# Altium PCB m-BLANC.PcbDoc (part 12 of 15)
Units mm, origin at the board's own origin, x right, y up, seen from the top; angles counter-clockwise.
Board outline 100 x 100 mm, 6 copper layers (Top Layer, InLayer1 (GND), InLayer2 (Signal), InLayer3 (PWR), InLayer4 (GND), Bottom Layer), stack 1.634 mm thick; 322 components, 563 nets, 2865 pads, 1870 vias.
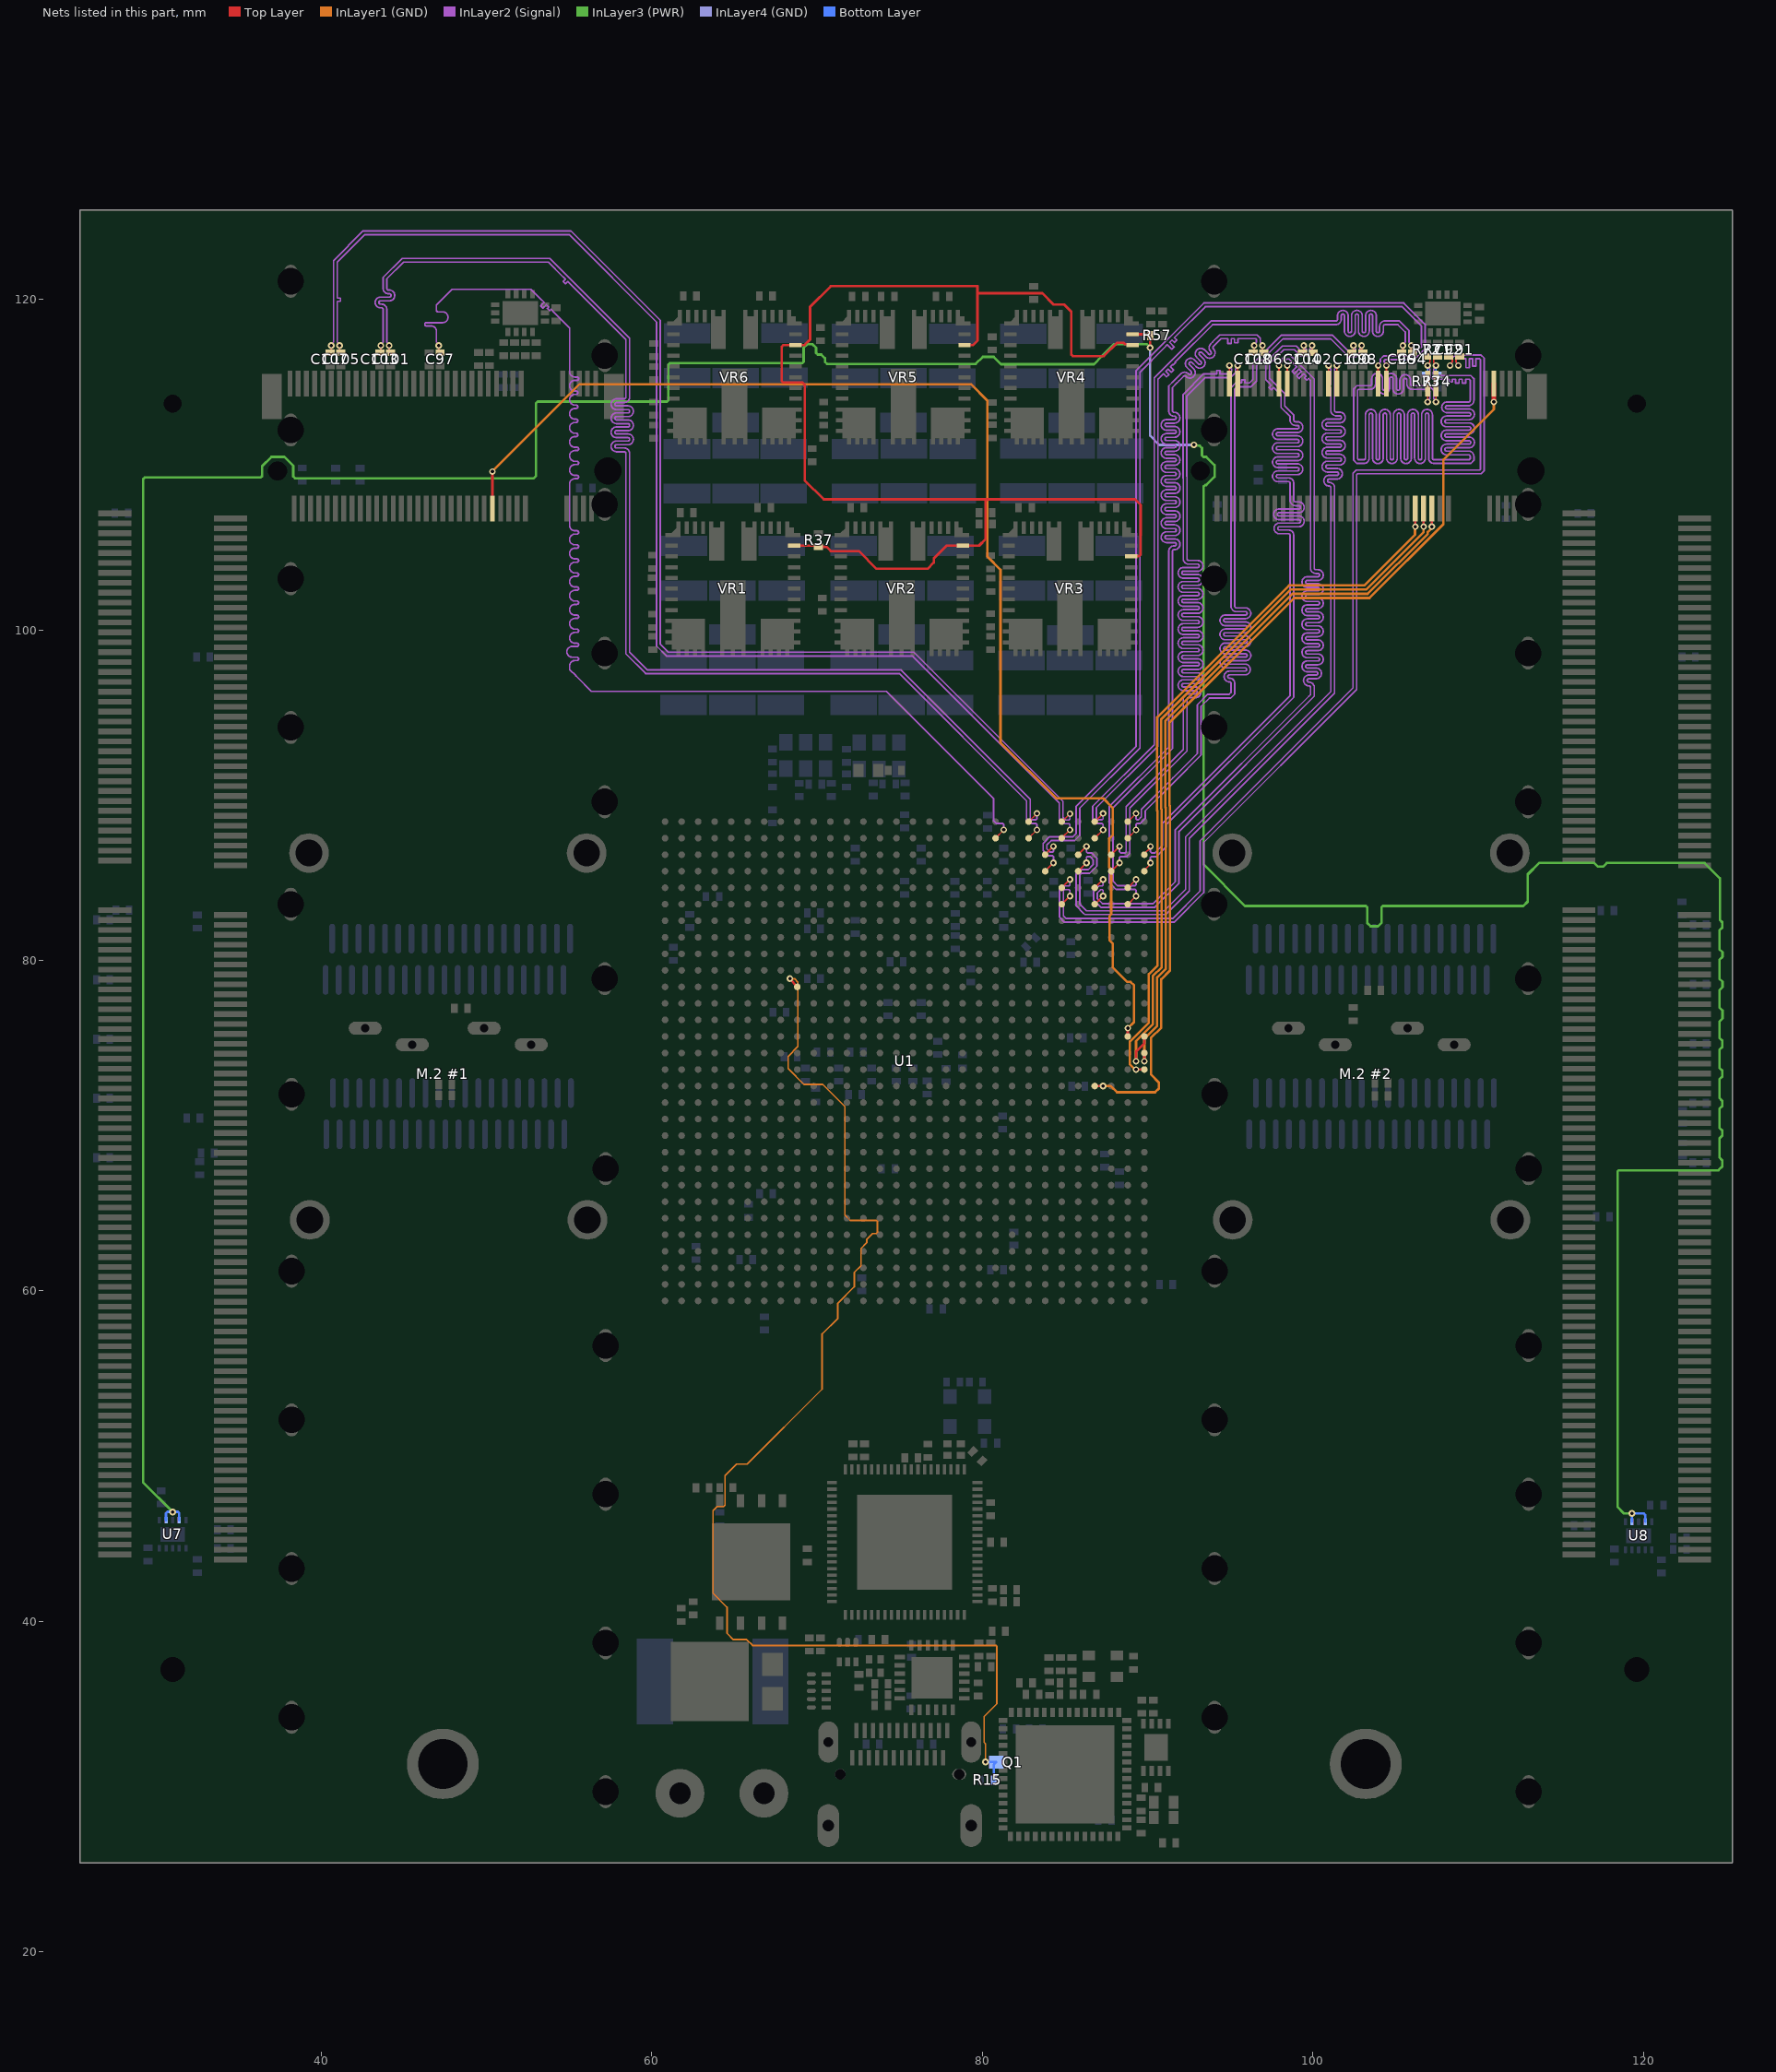
[diagram p16: the nets of this part, all layers, seen from the top]

## Via types
v1: diameter 0.4, hole 0.2, Top Layer to Bottom Layer, tented both sides, 1808 vias
v2: diameter 0.8, hole 0.4, Top Layer to Bottom Layer, tented both sides, 54 vias
v3: diameter 5, hole 3.2, Top Layer to Bottom Layer, 4 vias
v4: diameter 3.5, hole 3.2, Top Layer to Bottom Layer, 4 vias

## Nets (pads, with @x,y where several pads share a name; then routed paths per layer and width w, separated by ;. In a path a pad name is that pad's centre, name@x,y a point inside that pad or via, vN(x,y) a via of type N, cw(c..) or ccw(c..) an arc to the next point about the centre after c; other vN are vias at no path point) (continued)
PCIe1_TX1_P: C97.1 U1.K2 | length 81.1
  Top Layer w0.1: v1(47.1,117.21) 47.1,116.863 C97.1@47.181,116.782 ; U1.K2@80.8,87.4 80.8,87.407 81.293,87.9 v1(81.293,87.907)
  InLayer2 (Signal) w0.1: v1(47.1,117.21) 47.1,117.281 46.962,117.419 46.962,117.539 46.962,118.072 ccw(c46.637,118.072) 46.637,118.397 46.357,118.397 cw(c46.357,118.497) 46.257,118.497 cw(c46.357,118.497) 46.357,118.597 47.341,118.597 ccw(c47.341,118.922) 47.666,118.922 ccw(c47.341,118.922) 47.341,119.247 47.062,119.247 cw(c47.062,119.347) 46.962,119.347 46.962,119.51 46.962,119.662 47.917,120.617 52.679,120.617 53.298,119.998 53.333,119.963 53.475,119.821 53.269,119.616 53.411,119.474 53.616,119.68 53.758,119.538 53.678,119.459 53.819,119.317 53.899,119.397 54.098,119.198 55.02,118.276 55.02,115.793 55.02,115.63 ccw(c55.345,115.63) 55.345,115.305 55.466,115.305 cw(c55.466,115.205) 55.566,115.205 cw(c55.466,115.205) 55.466,115.105 55.345,115.105 ccw(c55.345,114.78) 55.02,114.78 ccw(c55.345,114.78) 55.345,114.455 55.418,114.455 cw(c55.418,114.355) 55.518,114.355 cw(c55.418,114.355) 55.418,114.255 55.345,114.255 ccw(c55.345,113.93) 55.02,113.93 ccw(c55.345,113.93) 55.345,113.605 55.418,113.605 cw(c55.418,113.505) 55.518,113.505 cw(c55.418,113.505) 55.418,113.405 55.345,113.405 ccw(c55.345,113.08) 55.02,113.08 ccw(c55.345,113.08) 55.345,112.755 55.418,112.755 cw(c55.418,112.655) 55.518,112.655 cw(c55.418,112.655) 55.418,112.555 55.345,112.555 ccw(c55.345,112.23) 55.02,112.23 ccw(c55.345,112.23) 55.345,111.905 55.418,111.905 cw(c55.418,111.805) 55.518,111.805 cw(c55.418,111.805) 55.418,111.705 55.345,111.705 ccw(c55.345,111.38) 55.02,111.38 ccw(c55.345,111.38) 55.345,111.055 55.466,111.055 cw(c55.466,110.955) 55.566,110.955 cw(c55.466,110.955) 55.466,110.855 55.345,110.855 ccw(c55.345,110.53) 55.02,110.53 ccw(c55.345,110.53) 55.345,110.205 55.466,110.205 cw(c55.466,110.105) 55.566,110.105 cw(c55.466,110.105) 55.466,110.005 55.345,110.005 ccw(c55.345,109.68) 55.02,109.68 ccw(c55.345,109.68) 55.345,109.355 55.466,109.355 cw(c55.466,109.255) 55.566,109.255 cw(c55.466,109.255) 55.466,109.155 55.345,109.155 ccw(c55.345,108.83) 55.02,108.83 55.02,107.851 55.02,106.488 55.02,106.325 ccw(c55.345,106.325) 55.345,106 55.466,106 cw(c55.466,105.9) 55.566,105.9 cw(c55.466,105.9) 55.466,105.8 55.345,105.8 ccw(c55.345,105.475) 55.02,105.475 ccw(c55.345,105.475) 55.345,105.15 55.466,105.15 cw(c55.466,105.05) 55.566,105.05 cw(c55.466,105.05) 55.466,104.95 55.345,104.95 ccw(c55.345,104.625) 55.02,104.625 ccw(c55.345,104.625) 55.345,104.3 55.466,104.3 cw(c55.466,104.2) 55.566,104.2 cw(c55.466,104.2) 55.466,104.1 55.345,104.1 ccw(c55.345,103.775) 55.02,103.775 ccw(c55.345,103.775) 55.345,103.45 55.466,103.45 cw(c55.466,103.35) 55.566,103.35 cw(c55.466,103.35) 55.466,103.25 55.345,103.25 ccw(c55.345,102.925) 55.02,102.925 ccw(c55.345,102.925) 55.345,102.6 55.466,102.6 cw(c55.466,102.5) 55.566,102.5 cw(c55.466,102.5) 55.466,102.4 55.345,102.4 ccw(c55.345,102.075) 55.02,102.075 ccw(c55.345,102.075) 55.345,101.75 55.466,101.75 cw(c55.466,101.65) 55.566,101.65 cw(c55.466,101.65) 55.466,101.55 55.345,101.55 ccw(c55.345,101.225) 55.02,101.225 ccw(c55.345,101.225) 55.345,100.9 55.466,100.9 cw(c55.466,100.8) 55.566,100.8 cw(c55.466,100.8) 55.466,100.7 55.345,100.7 ccw(c55.345,100.375) 55.02,100.375 ccw(c55.345,100.375) 55.345,100.05 55.466,100.05 cw(c55.466,99.95) 55.566,99.95 cw(c55.466,99.95) 55.466,99.85 55.345,99.85 ccw(c55.345,99.525) 55.02,99.525 ccw(c55.345,99.525) 55.345,99.2 55.466,99.2 cw(c55.466,99.1) 55.566,99.1 cw(c55.466,99.1) 55.466,99 55.179,99 ccw(c55.179,98.675) 54.854,98.675 ccw(c55.179,98.675) 55.179,98.35 55.466,98.35 cw(c55.466,98.25) 55.566,98.25 cw(c55.466,98.25) 55.466,98.15 55.345,98.15 ccw(c55.345,97.825) 55.02,97.825 55.02,97.605 55.404,97.221 55.454,97.171 56.345,96.281 74.197,96.281 80.675,89.803 80.675,88.478 80.865,88.288 81.234,88.288 81.293,88.229 v1(81.293,87.907)
PCIe1_TX2_N: C103.1 U1.H1 | length 80
  Top Layer w0.1: C103.1@43.533,116.785 43.6,116.852 v1(43.6,117.21) ; U1.H1@82.8,88.4 v1(83.3,88.9)
  InLayer2 (Signal) w0.1: v1(43.6,117.21) 43.6,117.281 43.737,117.419 43.737,118.823 43.737,119.393 ccw(c43.637,119.393) 43.637,119.493 43.578,119.493 cw(c43.578,119.818) 43.253,119.818 cw(c43.578,119.818) 43.578,120.143 44.115,120.143 ccw(c44.115,120.243) 44.215,120.243 ccw(c44.115,120.243) 44.115,120.343 44.063,120.343 cw(c44.063,120.668) 43.737,120.668 43.737,120.83 43.737,121.337 44.884,122.484 53.823,122.484 58.65,117.657 58.65,114.95 58.65,114.085 cw(c58.325,114.085) 58.325,113.76 57.86,113.76 ccw(c57.86,113.66) 57.76,113.66 ccw(c57.86,113.66) 57.86,113.56 58.555,113.56 cw(c58.555,113.235) 58.88,113.235 cw(c58.555,113.235) 58.555,112.91 57.86,112.91 ccw(c57.86,112.81) 57.76,112.81 ccw(c57.86,112.81) 57.86,112.71 58.555,112.71 cw(c58.555,112.385) 58.88,112.385 cw(c58.555,112.385) 58.555,112.06 57.86,112.06 ccw(c57.86,111.96) 57.76,111.96 ccw(c57.86,111.96) 57.86,111.86 58.555,111.86 cw(c58.555,111.535) 58.88,111.535 cw(c58.555,111.535) 58.555,111.21 57.86,111.21 ccw(c57.86,111.11) 57.76,111.11 ccw(c57.86,111.11) 57.86,111.01 58.325,111.01 cw(c58.325,110.685) 58.65,110.685 58.65,110.523 58.65,98.651 59.712,97.589 75.063,97.589 82.9,89.752 82.9,88.571 82.959,88.513 83.241,88.513 83.3,88.571 v1(83.3,88.9)
PCIe1_TX2_P: C101.1 U1.H2 | length 80.1
  Top Layer w0.1: v1(44.1,117.21) 44.1,116.868 C101.1@44.184,116.783 ; U1.H2@82.8,87.4 v1(83.3,87.9)
  InLayer2 (Signal) w0.1: v1(44.1,117.21) 44.1,117.281 43.963,117.419 43.963,118.823 43.963,119.393 ccw(c43.637,119.393) 43.637,119.718 43.578,119.718 cw(c43.578,119.818) 43.478,119.818 cw(c43.578,119.818) 43.578,119.918 44.115,119.918 ccw(c44.115,120.243) 44.44,120.243 ccw(c44.115,120.243) 44.115,120.568 44.063,120.568 cw(c44.063,120.668) 43.963,120.668 43.963,120.83 43.963,121.244 44.977,122.259 53.73,122.259 54.589,121.399 54.625,121.364 54.766,121.223 54.628,121.085 54.769,120.943 54.907,121.081 55.155,120.834 58.425,117.564 58.425,114.95 58.425,114.085 cw(c58.325,114.085) 58.325,113.985 57.86,113.985 ccw(c57.86,113.66) 57.535,113.66 ccw(c57.86,113.66) 57.86,113.335 58.555,113.335 cw(c58.555,113.235) 58.655,113.235 cw(c58.555,113.235) 58.555,113.135 57.86,113.135 ccw(c57.86,112.81) 57.535,112.81 ccw(c57.86,112.81) 57.86,112.485 58.555,112.485 cw(c58.555,112.385) 58.655,112.385 cw(c58.555,112.385) 58.555,112.285 57.86,112.285 ccw(c57.86,111.96) 57.535,111.96 ccw(c57.86,111.96) 57.86,111.635 58.555,111.635 cw(c58.555,111.535) 58.655,111.535 cw(c58.555,111.535) 58.555,111.435 57.86,111.435 ccw(c57.86,111.11) 57.535,111.11 ccw(c57.86,111.11) 57.86,110.785 58.325,110.785 cw(c58.325,110.685) 58.425,110.685 58.425,110.523 58.425,98.558 59.619,97.364 74.97,97.364 82.675,89.659 82.675,88.478 82.865,88.288 83.007,88.288 83.241,88.288 83.3,88.229 v1(83.3,87.9)
PCIe1_TX3_N: C107.1 U1.F1 | length 78.8
  Top Layer w0.1: C107.1@40.526,116.779 40.6,116.854 v1(40.6,117.21) ; U1.F1@84.8,88.4 84.812,88.4 85.288,88.877 v1(85.3,88.877)
  InLayer2 (Signal) w0.1: v1(40.6,117.21) 40.6,117.281 40.738,117.419 40.738,122.353 42.533,124.149 55.091,124.149 60.509,118.73 60.509,99.126 60.985,98.65 75.852,98.65 84.875,89.627 84.875,88.672 85.048,88.5 85.241,88.5 85.3,88.558 v1(85.3,88.877)
PCIe1_TX3_P: C105.1 U1.F2 | length 78.9
  Top Layer w0.1: v1(41.1,117.21) 41.1,116.858 C105.1@41.178,116.78 ; U1.F2@84.8,87.4 U1.F2@84.8,87.4 85.299,87.897 v1(85.3,87.897)
  InLayer2 (Signal) w0.1: v1(41.1,117.21) 41.1,117.281 40.963,117.419 40.963,119.633 40.963,119.883 41.162,119.883 41.162,120.083 40.963,120.083 40.963,120.528 40.963,122.26 42.627,123.924 54.997,123.924 60.284,118.637 60.284,99.033 60.892,98.425 75.759,98.425 84.65,89.534 84.65,88.579 84.955,88.275 85.241,88.275 85.3,88.216 v1(85.3,87.897)
PCIe1_WAKE: "M.2 #1.50" U1.B14 | length 79.2
  Top Layer w0.15: 50.35,107.35 v1(50.35,109.582) ; v1@88.798,75.916 88.798,75.9 88.798,75.461 88.8,75.463 U1.B14@88.8,75.4
  InLayer1 (GND) w0.15: v1@50.35,109.586 50.35,109.612 55.611,114.873 79.307,114.873 80.3,113.88 80.3,104.446 81.1,103.646 81.1,93.177 84.465,89.812 87.304,89.812 87.894,89.222 87.894,87.594 87.675,87.375 87.675,85.625 87.797,85.503 87.797,82.797 87.7,82.7 87.7,81.209 87.894,81.015 87.894,79.563 88.757,78.7 88.971,78.7 89.177,78.495 89.177,76.278 v1@88.798,75.9
  other v1: 88.8,75.9
PCIe2_CKRQ: "M.2 #2.52" U1.A14 | length 45.1
  Top Layer w0.15: v1(89.3,73.9) 89.3,74.487 89.8,74.987 U1.A14@89.8,75.4 ; v1(106.7,106.25) 106.7,107.35
  InLayer1 (GND) w0.15: v1(89.3,73.9) 89.3,75.12 90.324,76.144 90.324,79.071 90.85,79.596 90.85,89.134 90.822,89.162 90.822,94.608 98.655,102.442 103.212,102.442 106.7,105.93 v1(106.7,106.25)
PCIe2_CLK_N: "M.2 #2.55" R71.1 R74.2 | length 73.7
  Top Layer w0.1: v1(107.45,113.8) 107.45,114.9 ; v1(107.45,116) 107.45,116.062 107.312,116.2 107.312,116.35 107.324,116.361 107.324,116.4 107.474,116.55 R71.1@107.549,116.55
  InLayer2 (Signal) w0.1: 107.312,115.459 107.312,115.791 107.45,115.929 v1(107.45,116) ; 107.371,115.401 109.554,115.401 109.744,115.21 109.744,115.105 109.744,114.896 109.744,113.897 cw(c109.419,113.897) 109.419,113.572 108.125,113.572 ccw(c108.125,113.472) 108.125,113.372 109.452,113.372 cw(c109.452,113.047) 109.452,112.722 108.089,112.722 ccw(c108.089,112.622) 108.089,112.522 109.452,112.522 cw(c109.452,112.197) 109.452,111.872 108.089,111.872 ccw(c108.089,111.772) 108.089,111.672 109.452,111.672 cw(c109.452,111.347) 109.452,111.022 108.089,111.022 ccw(c108.089,110.922) 108.089,110.822 109.419,110.822 cw(c109.419,110.497) 109.744,110.497 109.744,110.334 109.744,110.265 109.554,110.075 107.8,110.075 107.333,110.075 cw(c107.333,110.4) 107.008,110.4 107.008,113.021 ccw(c106.908,113.021) 106.908,113.121 ccw(c106.908,113.021) 106.808,113.021 106.808,110.396 cw(c106.483,110.396) 106.483,110.071 cw(c106.483,110.396) 106.158,110.396 106.158,113.021 ccw(c106.058,113.021) 106.058,113.121 ccw(c106.058,113.021) 105.958,113.021 105.958,110.396 cw(c105.633,110.396) 105.633,110.071 cw(c105.633,110.396) 105.308,110.396 105.308,113.021 ccw(c105.208,113.021) 105.208,113.121 ccw(c105.208,113.021) 105.108,113.021 105.108,110.396 cw(c104.783,110.396) 104.783,110.071 cw(c104.783,110.396) 104.458,110.396 104.458,113.021 ccw(c104.358,113.021) 104.358,113.121 ccw(c104.358,113.021) 104.258,113.021 104.258,110.396 cw(c103.933,110.396) 103.933,110.071 cw(c103.933,110.396) 103.608,110.396 103.608,113.021 ccw(c103.508,113.021) 103.508,113.121 ccw(c103.508,113.021) 103.408,113.021 103.408,110.4 cw(c103.083,110.4) 103.083,110.075 102.92,110.075 102.665,110.075 102.475,110.265 102.475,114.595 102.665,114.785 103.3,114.785 103.463,114.785 ccw(c103.463,114.885) 103.563,114.885 103.563,115.202 cw(c103.888,115.202) 103.888,115.527 cw(c103.888,115.202) 104.213,115.202 104.213,114.604 ccw(c104.313,114.604) 104.313,114.504 ccw(c104.313,114.604) 104.413,114.604 104.413,115.202 cw(c104.738,115.202) 104.738,115.527 cw(c104.738,115.202) 105.063,115.202 105.063,114.604 ccw(c105.163,114.604) 105.163,114.504 ccw(c105.163,114.604) 105.263,114.604 105.263,115.122 cw(c105.588,115.122) 105.588,115.447 cw(c105.588,115.122) 105.913,115.122 105.913,114.885 ccw(c106.013,114.885) 106.013,114.785 106.506,114.785 107.033,114.785 107.312,114.506 107.312,114.009 107.45,113.871 v1(107.45,113.8)
  Bottom Layer w0.1: v1(107.45,116) 107.45,115.498 R74.2@107.511,115.436
PCIe2_CLK_P: "M.2 #2.53" R72.1 R73.2 | length 73.6
  Top Layer w0.1: R72.1@106.898,116.537 R72.1@106.887,116.548 106.956,116.548 107.087,116.416 107.087,116.198 106.95,116.06 v1(106.95,116) ; v1(106.95,113.8) 106.95,114.9
  InLayer2 (Signal) w0.1: v1(106.95,113.8) 106.95,113.871 107.087,114.009 107.087,114.412 106.94,114.56 106.506,114.56 106.013,114.56 cw(c106.013,114.885) 105.688,114.885 105.688,115.122 ccw(c105.588,115.122) 105.588,115.222 ccw(c105.588,115.122) 105.488,115.122 105.488,114.604 cw(c105.163,114.604) 105.163,114.279 cw(c105.163,114.604) 104.838,114.604 104.838,115.202 ccw(c104.738,115.202) 104.738,115.302 ccw(c104.738,115.202) 104.638,115.202 104.638,114.604 cw(c104.313,114.604) 104.313,114.279 cw(c104.313,114.604) 103.988,114.604 103.988,115.202 ccw(c103.888,115.202) 103.888,115.302 ccw(c103.888,115.202) 103.788,115.202 103.788,114.885 cw(c103.463,114.885) 103.463,114.56 103.3,114.56 102.759,114.56 102.7,114.502 102.7,110.359 102.759,110.3 102.92,110.3 103.083,110.3 ccw(c103.083,110.4) 103.183,110.4 103.183,113.021 cw(c103.508,113.021) 103.508,113.346 cw(c103.508,113.021) 103.833,113.021 103.833,110.396 ccw(c103.933,110.396) 103.933,110.296 ccw(c103.933,110.396) 104.033,110.396 104.033,113.021 cw(c104.358,113.021) 104.358,113.346 cw(c104.358,113.021) 104.683,113.021 104.683,110.396 ccw(c104.783,110.396) 104.783,110.296 ccw(c104.783,110.396) 104.883,110.396 104.883,113.021 cw(c105.208,113.021) 105.208,113.346 cw(c105.208,113.021) 105.533,113.021 105.533,110.396 ccw(c105.633,110.396) 105.633,110.296 ccw(c105.633,110.396) 105.733,110.396 105.733,113.021 cw(c106.058,113.021) 106.058,113.346 cw(c106.058,113.021) 106.383,113.021 106.383,110.396 ccw(c106.483,110.396) 106.483,110.296 ccw(c106.483,110.396) 106.583,110.396 106.583,113.021 cw(c106.908,113.021) 106.908,113.346 cw(c106.908,113.021) 107.233,113.021 107.233,110.4 ccw(c107.333,110.4) 107.333,110.3 107.8,110.3 109.461,110.3 109.495,110.334 109.519,110.359 109.519,110.497 ccw(c109.419,110.497) 109.419,110.597 108.089,110.597 cw(c108.089,110.922) 108.089,111.247 109.452,111.247 ccw(c109.452,111.347) 109.452,111.447 108.089,111.447 cw(c108.089,111.772) 108.089,112.097 109.452,112.097 ccw(c109.452,112.197) 109.452,112.297 108.089,112.297 cw(c108.089,112.622) 108.089,112.947 109.452,112.947 ccw(c109.452,113.047) 109.452,113.147 108.125,113.147 cw(c108.125,113.472) 108.125,113.797 109.419,113.797 ccw(c109.419,113.897) 109.519,113.897 109.519,114.896 109.519,115.105 109.519,115.117 109.461,115.176 109.291,115.176 109.241,115.176 109.241,114.929 109.041,114.929 109.041,115.176 108.841,115.176 108.841,114.929 108.641,114.929 108.641,115.176 108.441,115.176 108.441,115.007 108.241,115.007 108.241,115.176 107.692,115.176 107.278,115.176 107.087,115.366 107.087,115.791 106.95,115.929 v1(106.95,116)
  Bottom Layer w0.1: R73.2@106.859,115.435 106.95,115.526 v1(106.95,116)
PCIe2_DET: "M.2 #2.69" U1.D17 | length 58.3
  Top Layer w0.15: U1.D17@86.8,72.4 v1(87.3,72.4) v1@87.3,72.43
  Top Layer w0.3: v1(110.95,113.8) 110.95,114.9
  InLayer1 (GND) w0.15: v1(87.3,72.4) 87.77,72.4 88.145,72.025 90.449,72.025 90.679,72.255 90.679,72.621 90.2,73.1 90.2,75.313 90.824,75.937 90.824,78.864 91.35,79.389 91.35,89.341 91.322,89.369 91.322,94.401 98.859,101.938 103.426,101.938 107.9,106.412 107.9,110.3 110.95,113.35 v1(110.95,113.8)
PCIe2_PERST: "M.2 #2.50" U1.A16 | length 44.5
  Top Layer w0.15: v1(89.3,73.4) U1.A16@89.8,73.4 ; v1(106.2,106.25) 106.2,106.28 106.2,107.35
  InLayer1 (GND) w0.15: v1(89.3,73.4) 89.232,73.4 88.925,73.707 88.925,75.098 90.074,76.248 90.074,79.174 90.6,79.7 90.6,89.03 90.572,89.058 90.572,94.712 98.555,102.695 103.112,102.695 106.181,105.764 106.181,106.231 v1(106.2,106.25)
PCIe2_RCLK_N: C92.1 U1.F5 | length 60.2
  Top Layer w0.1: U1.F5@84.8,84.4 v1(85.3,84.9) ; C92.1@108.214,116.548 C92.1@108.221,116.555 108.285,116.555 108.435,116.405 108.435,116.205 108.3,116.07 v1(108.3,116)
  InLayer2 (Signal) w0.1: v1(85.3,84.9) 85.3,84.571 85.241,84.513 84.864,84.513 84.674,84.322 84.674,82.608 84.968,82.314 91.606,82.314 93.401,84.108 93.401,87.148 102.652,96.399 102.652,109.394 102.711,109.452 110.181,109.452 110.372,109.643 110.372,116.443 110.181,116.634 108.628,116.634 108.438,116.443 108.438,116.209 108.3,116.071 v1(108.3,116)
PCIe2_RCLK_P: C91.1 U1.F6 | length 60.3
  Top Layer w0.1: U1.F6@84.8,83.4 v1(85.3,83.9) ; v1(108.8,116) 108.8,116.068 108.66,116.209 108.66,116.396 108.81,116.546 C91.1@108.878,116.546 C91.1@108.868,116.536
  InLayer2 (Signal) w0.1: v1(85.3,83.9) 85.3,84.229 85.241,84.288 84.957,84.288 84.899,84.229 84.899,82.701 85.061,82.539 91.513,82.539 93.176,84.201 93.176,87.241 102.427,96.493 102.427,109.487 102.618,109.677 110.088,109.677 110.147,109.736 110.147,116.35 110.096,116.401 110.088,116.409 109.866,116.409 109.866,115.961 109.666,115.961 109.666,116.409 109.466,116.409 109.466,115.865 109.266,115.865 109.266,116.409 109.016,116.409 108.721,116.409 108.663,116.35 108.663,116.209 108.8,116.071 v1(108.8,116)
PCIe2_RX0_N: "M.2 #2.41" U1.G3 | length 59.5
  Top Layer w0.1: U1.G3@83.8,86.4 v1(84.3,86.9) ; 103.95,114.9 v1(103.95,116)
  InLayer2 (Signal) w0.1: v1(84.3,86.9) 84.3,86.597 84.258,86.555 84.1,86.555 83.9,86.755 83.9,86.99 84.169,87.26 85.587,87.26 85.894,87.566 85.894,89.223 89.531,92.86 89.531,115.6 91.016,117.084 91.192,117.261 91.468,116.986 91.609,117.127 91.334,117.403 91.475,117.544 91.625,117.394 91.766,117.536 91.617,117.686 91.766,117.834 93.491,119.56 105.408,119.56 106.563,118.405 106.563,117.11 106.032,116.578 104.278,116.578 104.088,116.388 104.088,116.209 103.95,116.071 v1(103.95,116)
PCIe2_RX0_P: "M.2 #2.43" U1.G4 | length 59.5
  Top Layer w0.1: U1.G4@83.8,85.4 v1(84.3,85.9) ; 104.45,114.9 v1(104.45,116)
  InLayer2 (Signal) w0.1: v1(84.3,85.9) 84.3,86.287 84.258,86.33 84.007,86.33 83.675,86.662 83.675,87.084 84.076,87.485 85.494,87.485 85.669,87.66 85.669,89.316 89.306,92.953 89.306,115.693 93.398,119.785 105.501,119.785 106.788,118.499 106.788,117.016 106.125,116.353 104.371,116.353 104.313,116.295 104.313,116.209 104.45,116.071 v1(104.45,116)
PCIe2_RX1_N: "M.2 #2.29" U1.E3 | length 58.4
  Top Layer w0.1: U1.E3@85.8,86.4 v1(86.3,86.9) ; 100.95,114.9 v1(100.95,116)
  InLayer2 (Signal) w0.1: v1(86.3,86.9) 86.3,86.571 86.359,86.513 86.606,86.513 86.925,86.193 86.925,85.707 86.493,85.275 86,85.275 85.9,85.175 85.9,83.4 86.3,83 91,83 92.3,84.3 92.3,87.482 101.087,96.27 101.087,108.047 101.087,108.606 ccw(c100.987,108.606) 100.987,108.706 cw(c100.987,109.031) 100.662,109.031 cw(c100.987,109.031) 100.987,109.356 101.454,109.356 ccw(c101.454,109.456) 101.554,109.456 ccw(c101.454,109.456) 101.454,109.556 100.88,109.556 cw(c100.88,109.881) 100.555,109.881 cw(c100.88,109.881) 100.88,110.206 101.625,110.206 ccw(c101.625,110.306) 101.725,110.306 ccw(c101.625,110.306) 101.625,110.406 100.88,110.406 cw(c100.88,110.731) 100.555,110.731 cw(c100.88,110.731) 100.88,111.056 101.625,111.056 ccw(c101.625,111.156) 101.725,111.156 ; v1(100.95,116) 100.95,115.929 101.087,115.791 101.087,115.021 101.087,114.85 100.894,114.85 100.894,114.65 101.087,114.65 101.087,114.6 101.087,113.444 101.087,113.281 ccw(c101.412,113.281) 101.412,112.956 101.625,112.956 cw(c101.625,112.856) 101.725,112.856 cw(c101.625,112.856) 101.625,112.756 100.88,112.756 ccw(c100.88,112.431) 100.555,112.431 ccw(c100.88,112.431) 100.88,112.106 101.625,112.106 cw(c101.625,112.006) 101.725,112.006 cw(c101.625,112.006) 101.625,111.906 100.88,111.906 ccw(c100.88,111.581) 100.555,111.581 ccw(c100.88,111.581) 100.88,111.256 101.625,111.256 cw(c101.625,111.156) 101.725,111.156
PCIe2_RX1_P: "M.2 #2.31" U1.E4 | length 58.4
  Top Layer w0.1: U1.E4@85.8,85.4 v1(86.3,85.9) ; 101.45,114.9 v1(101.45,116)
  InLayer2 (Signal) w0.1: v1(86.3,85.9) 86.3,86.229 86.359,86.288 86.512,86.288 86.6,86.2 86.7,86.1 86.7,85.8 86.4,85.5 85.907,85.5 85.675,85.268 85.675,83.307 86.141,82.841 86.207,82.775 91.093,82.775 92.525,84.207 92.525,87.389 101.312,96.177 101.312,108.047 101.312,108.606 ccw(c100.987,108.606) 100.987,108.931 cw(c100.987,109.031) 100.887,109.031 cw(c100.987,109.031) 100.987,109.131 101.454,109.131 ccw(c101.454,109.456) 101.779,109.456 ccw(c101.454,109.456) 101.454,109.781 100.88,109.781 cw(c100.88,109.881) 100.78,109.881 cw(c100.88,109.881) 100.88,109.981 101.625,109.981 ccw(c101.625,110.306) 101.95,110.306 ccw(c101.625,110.306) 101.625,110.631 100.88,110.631 cw(c100.88,110.731) 100.78,110.731 cw(c100.88,110.731) 100.88,110.831 101.625,110.831 ccw(c101.625,111.156) 101.95,111.156 ; v1(101.45,116) 101.45,115.929 101.312,115.791 101.312,113.444 101.312,113.281 ccw(c101.412,113.281) 101.412,113.181 101.625,113.181 cw(c101.625,112.856) 101.95,112.856 cw(c101.625,112.856) 101.625,112.531 100.88,112.531 ccw(c100.88,112.431) 100.78,112.431 ccw(c100.88,112.431) 100.88,112.331 101.625,112.331 cw(c101.625,112.006) 101.95,112.006 cw(c101.625,112.006) 101.625,111.681 100.88,111.681 ccw(c100.88,111.581) 100.78,111.581 ccw(c100.88,111.581) 100.88,111.481 101.625,111.481 cw(c101.625,111.156) 101.95,111.156